# Altium PCB Copy of Flight_Controller_Board_Design.PcbDoc
Units mil, origin at the board's own origin, x right, y up, seen from the top; angles counter-clockwise.
Board outline 1960.03 x 2380.03 mil, 4 copper layers (Top Layer, LY-1, LY-2, Bottom Layer), stack 62.493 mil thick; 95 components, 79 nets, 353 pads, 284 vias.
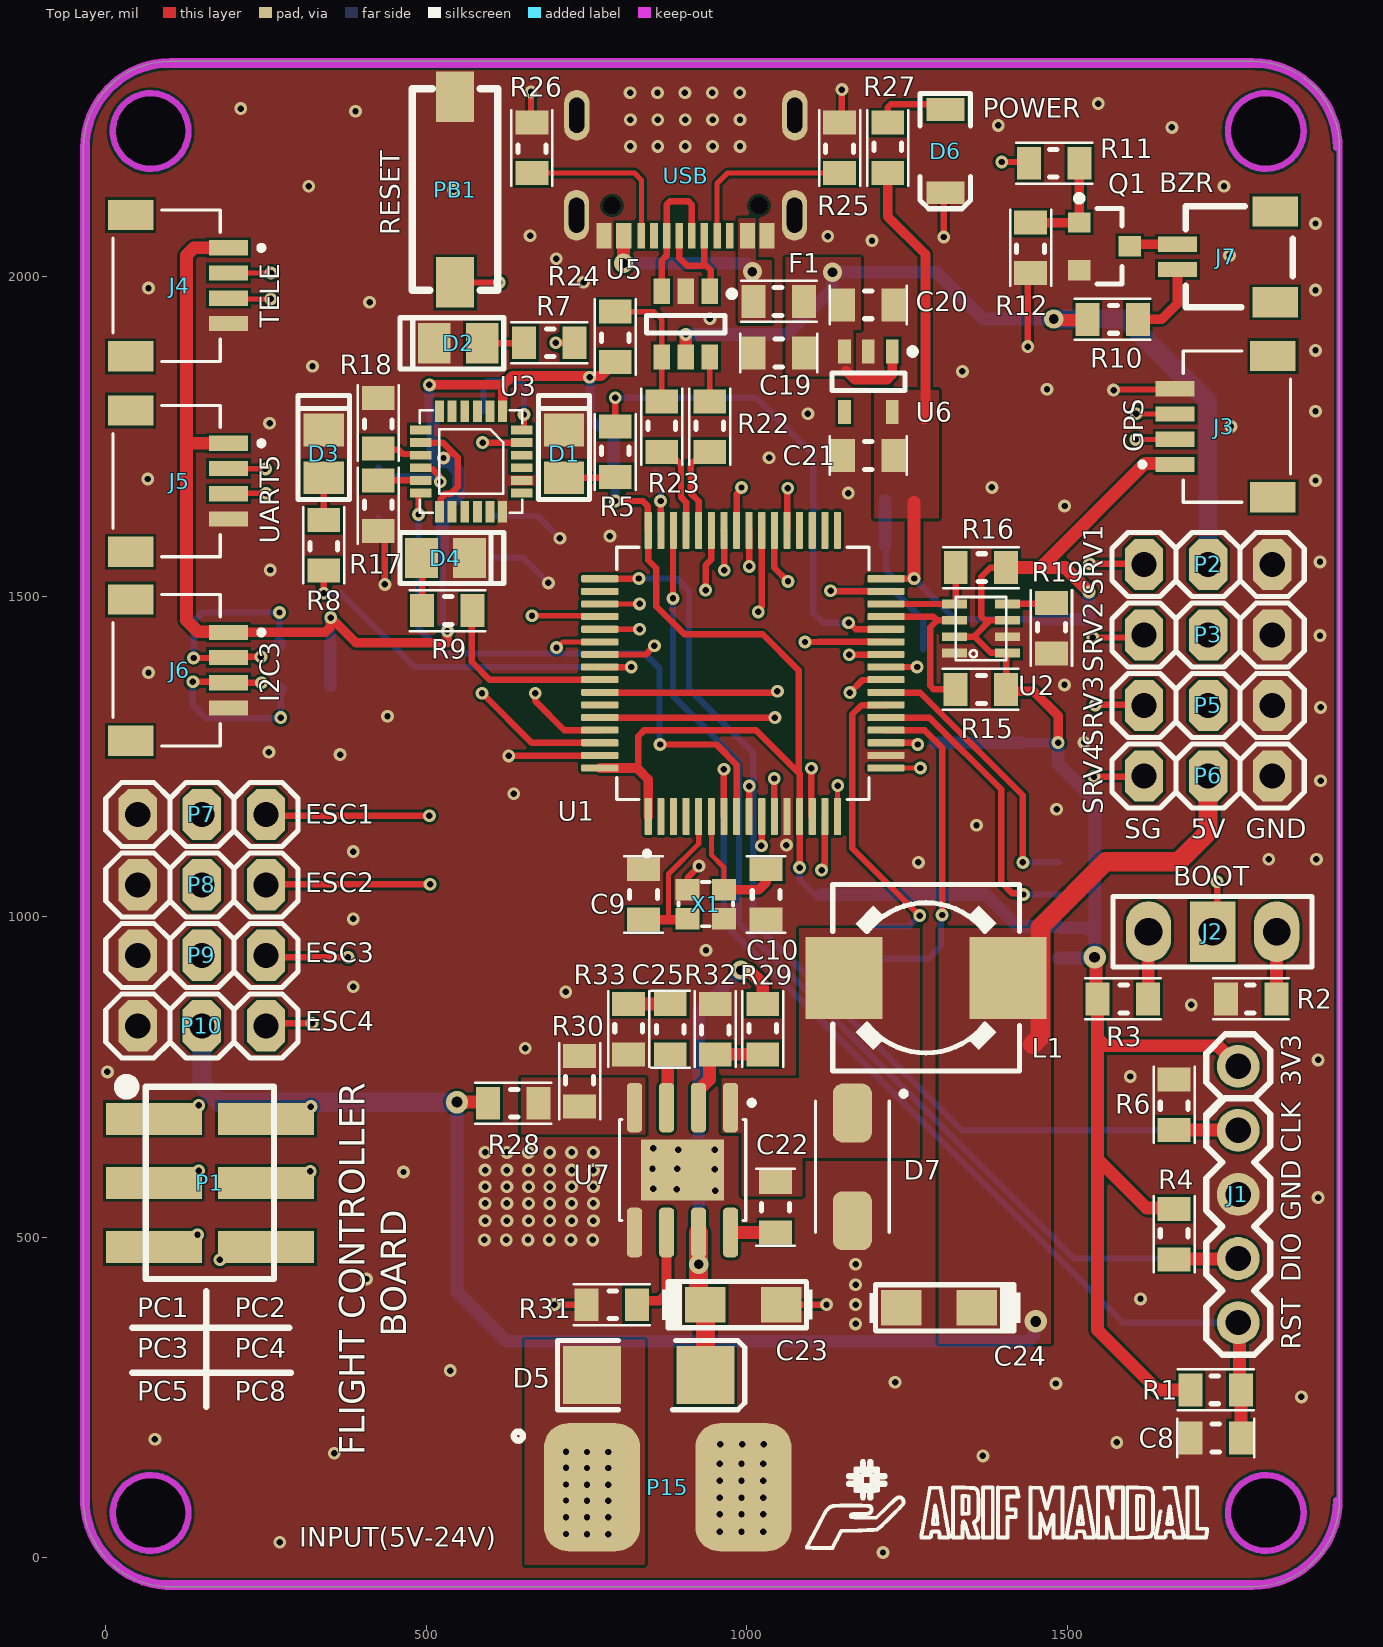
[diagram p0: Top Layer view]
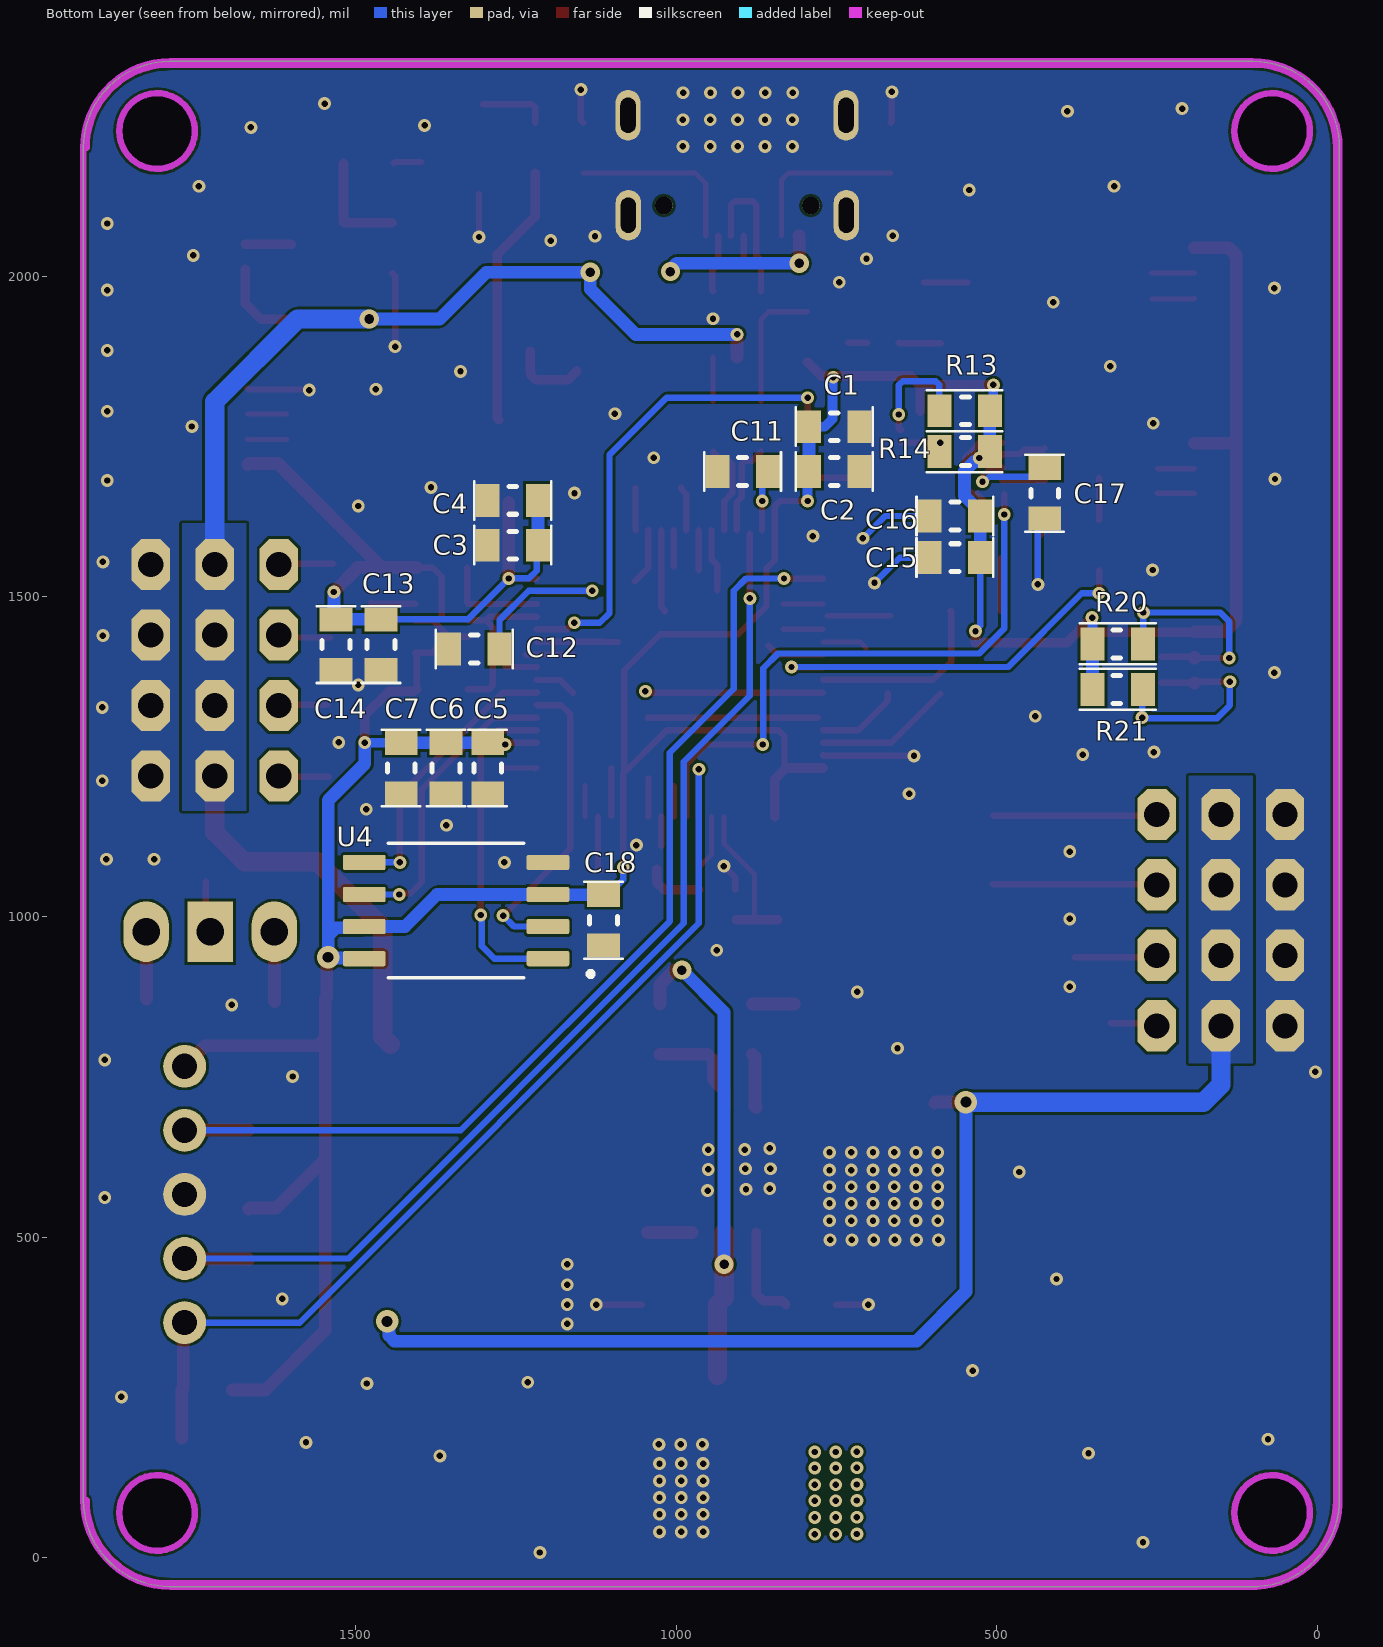
[diagram p1: Bottom Layer view, seen from below]
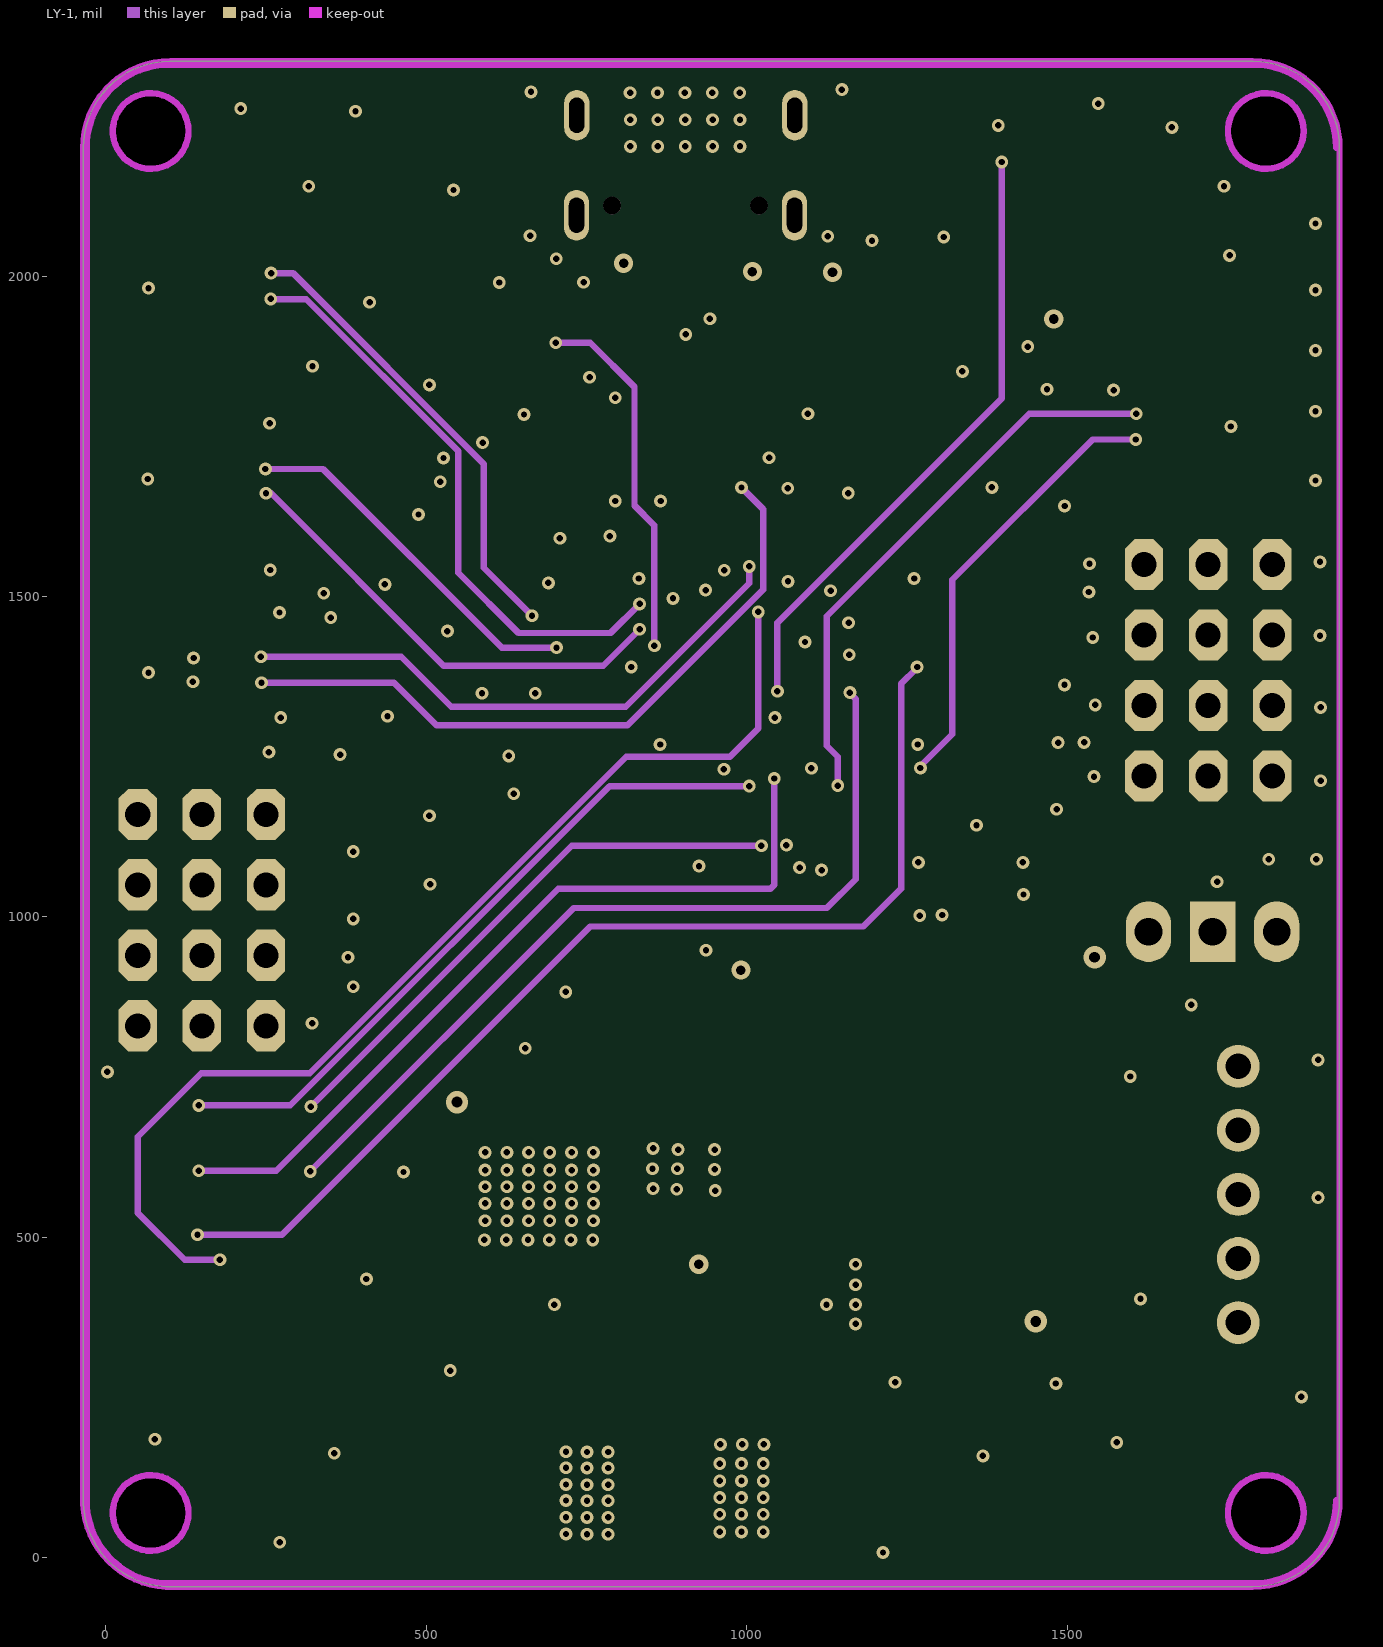
[diagram p2: LY-1]
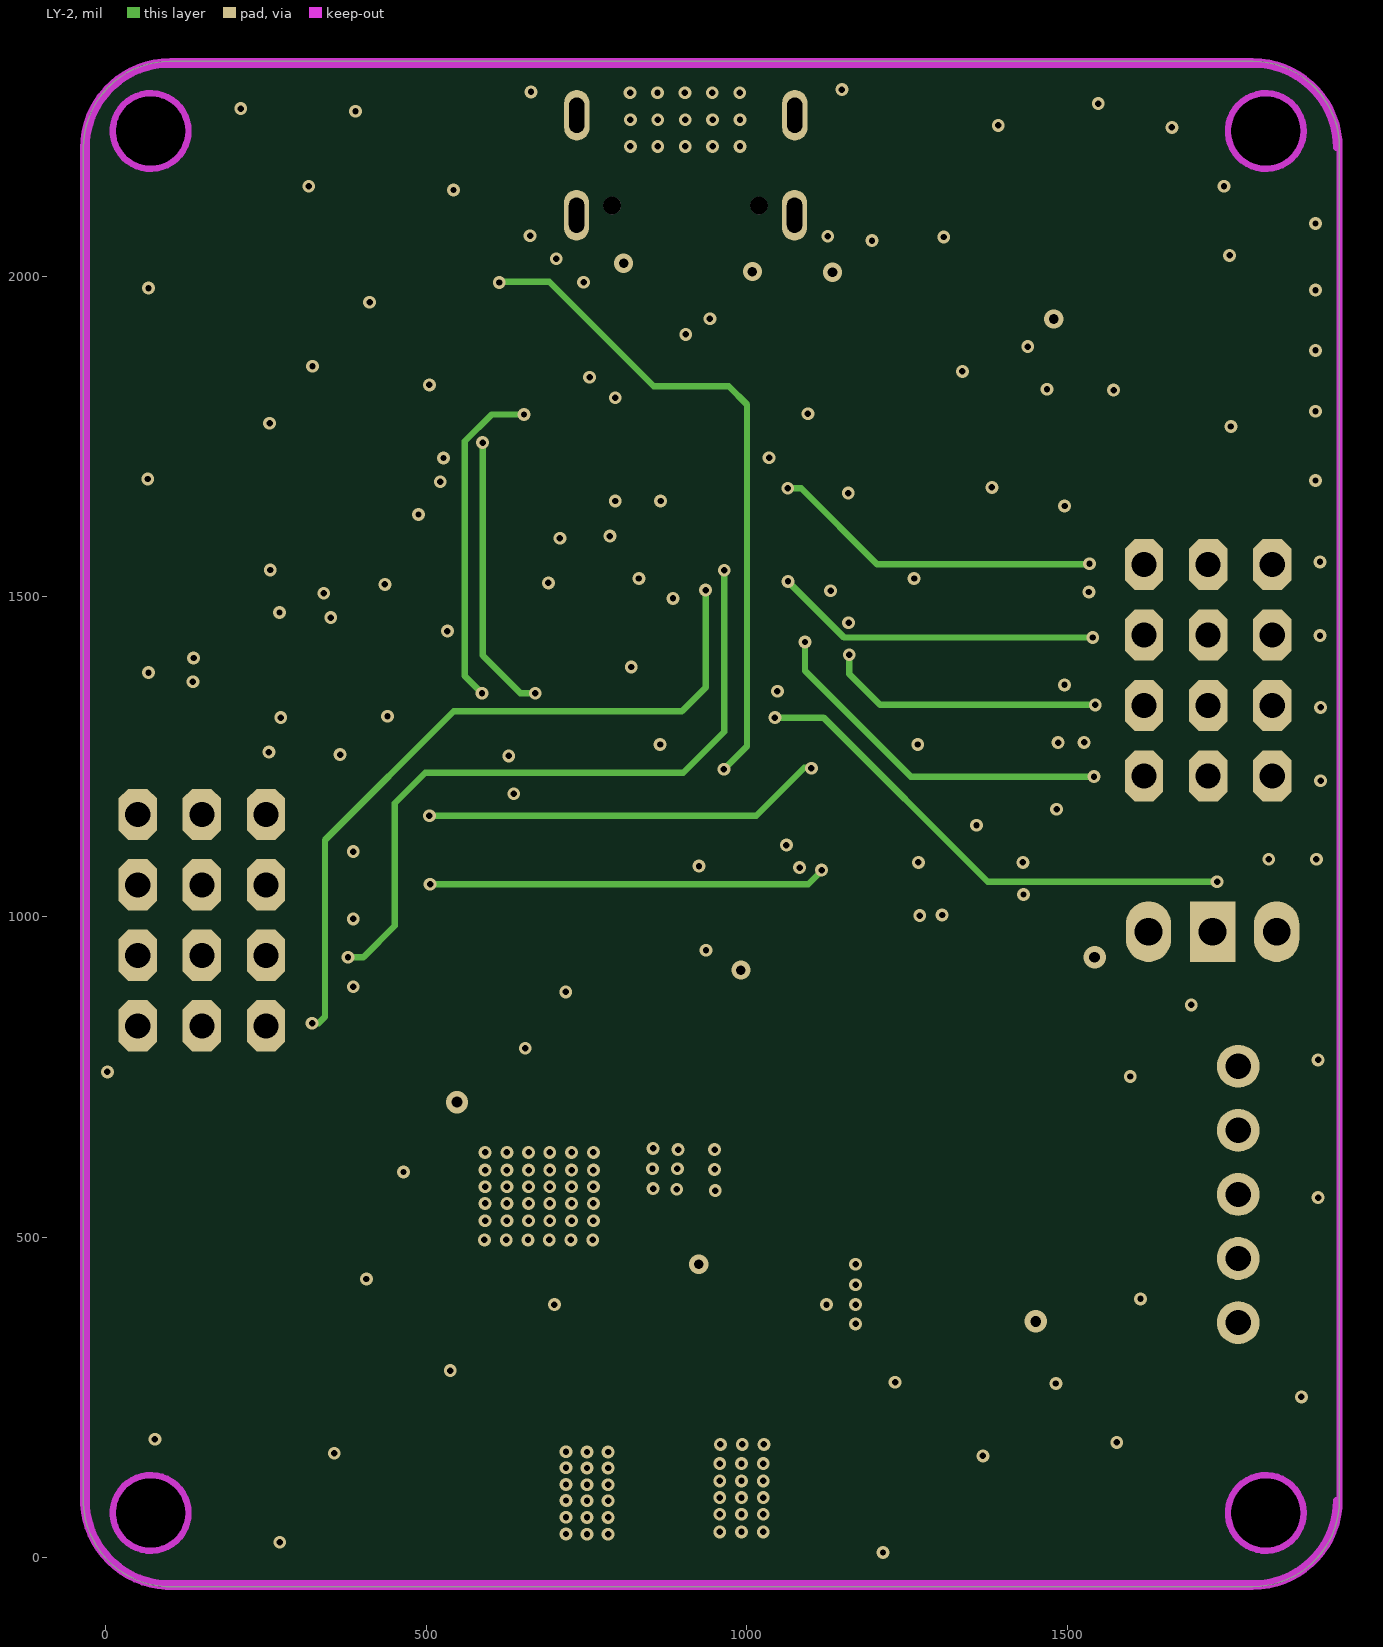
[diagram p3: LY-2]

## Layer stack, top to bottom
Top Solder: solder mask 0.4, Solder Resist, Dk 3.5
Top Layer: signal copper 1.4
Dielectric 2: prepreg 8.2835, PP-006, Dk 4.1
LY-1: signal copper 0.5984
Dielectric 1: dielectric 41.9291, FR-4, Dk 4.8
LY-2: signal copper 0.5984
Dielectric 3: prepreg 8.2835, PP-006, Dk 4.1
Bottom Layer: signal copper 1.4
Bottom Solder: solder mask 0.4, Solder Resist, Dk 3.5

## Board outline
-34.87,83.82 cw(c-30,85) -35.02,85 -35.02,2200 cw(c-30,2200) -35.01,2200.17 cw(c100,2200) 100,2335.02 cw(c100,2330) 100.03,2335.01 1790,2335.02 cw(c1790,2330) 1790.16,2335.01 cw(c1790,2200) 1925.02,2200 cw(c1920,2200) 1925.01,2199.92 1925.01,90.03 cw(c1920,90) 1925.02,90 cw(c1790,90) 1925.02,90 cw(c1790,90) 1790,-45.02 cw(c1790,-40) 1789.97,-45.01 95,-45.01 cw(c95,-40) 93.8,-44.87 cw(c100,90)
cut-out: 70,2167.2 cw(c70,2226.26) 10.94,2226.26 cw(c70,2226.26) 70,2285.31 cw(c70,2226.26) 129.06,2226.26 cw(c70,2226.26)
cut-out: 1750.94,2226.26 ccw(c1810,2226.26) 1810,2167.2 ccw(c1810,2226.26) 1869.06,2226.26 ccw(c1810,2226.26) 1810,2285.31 ccw(c1810,2226.26)
cut-out: 1750.94,70 ccw(c1810,70) 1810,10.94 ccw(c1810,70) 1869.06,70 ccw(c1810,70) 1810,129.06 ccw(c1810,70)
cut-out: 10.94,70 ccw(c70,70) 70,10.94 ccw(c70,70) 129.06,70 ccw(c70,70) 70,129.06 ccw(c70,70)

## Design rules (kind name [scope] priority, off if disabled: settings)
Clearance [All] p1: gap=4 ignorepadtopadclearanceinfootprint=FALSE
DiffPairsRouting DiffPairsRouting_1 [InDifferentialPairClass('All Differential Pairs')] p1: maxlimit=10 minlimit=5 mostfreqgap=5 toplayer_minwidth=10 toplayer_maxwidth=15 toplayer_prefwidth=10 midlayer1_minwidth=10 midlayer1_maxwidth=15 midlayer1_prefwidth=10 midlayer2_minwidth=10 midlayer2_maxwidth=15 midlayer2_prefwidth=10 bottomlayer_minwidth=10 bottomlayer_maxwidth=15 bottomlayer_prefwidth=10 maxuncoupledlength=500
DiffPairsRouting [All] p2: maxlimit=10 minlimit=10 mostfreqgap=10 toplayer_minwidth=15 toplayer_maxwidth=15 toplayer_prefwidth=15 midlayer1_minwidth=15 midlayer1_maxwidth=15 midlayer1_prefwidth=15 midlayer2_minwidth=15 midlayer2_maxwidth=15 midlayer2_prefwidth=15 bottomlayer_minwidth=15 bottomlayer_maxwidth=15 bottomlayer_prefwidth=15 maxuncoupledlength=500
MatchedLengths [InDifferentialPairClass('DiffPairUSB')] p1: tolerance=1000 checknetsindiffpair=FALSE checkdiffpairvsdiffpair=TRUE checkxsignals=TRUE checkothers=TRUE
MinimumSolderMaskSliver [All] p1: minsoldermaskwidth=0
PlaneConnect [All] p1: planeconnectstyle=Direct reliefexpansion=20 reliefentries=4 reliefconductorwidth=10 reliefairgap=10
PolygonConnect [All] p1: connectstyle=Direct reliefconductorwidth=10 reliefentries=4 polygonreliefangle="90 Angle" airgapwidth=10
RoutingVias [All] p1: holewidth=15 width=30 viastyle="Through Hole" minholewidth=10 minwidth=15 maxholewidth=50 maxwidth=100
SilkToSilkClearance [All] p1: silktosilkclearance=6
SilkToSolderMaskClearance [IsPad] p1: minsilkscreentomaskgap=-3 clearancetoexposedcopper=TRUE
SolderMaskExpansion [All] p1: expansion=4
Width [All] p1: maxlimit=50 minlimit=8 preferedwidth=10 midlayer1_minwidth=10 midlayer1_maxwidth=10 midlayer2_minwidth=10 midlayer2_maxwidth=10 minimp=50.000000 maximp=50.000000 favimp=50.000000
25 further rules are at their usual default settings.

## Classes and differential pairs
differential pair class DiffPairUSB: USB USBuC
component class Power: C19 C20 C21 C22 C23 C24 C25 D5 D6 D7 F1 L1 P15 R22 R23 R24 R25 R26 R27 R28 R29 R30 R31 R32 R33 U5 U6 U7 USB
component class Modules: C13 C14 C15 C16 C17 C18 J3 J4 J5 J6 R13 R14 R15 R16 R17 R18 R19 R20 R21 U2 U3 U4
component class MicroController: C1 C2 C3 C4 C5 C6 C7 C8 C9 C10 C11 C12 D1 D2 D3 D4 J1 J2 J7 P1 P2 P3 P5 P6 P7 P8 P9 P10 PB1 Q1 R1 R2 R3 R4 R5 R6 R7 R8 R9 R10 R11 R12 U1 X1
differential pair USBuC: +NetR23_1 -NetR22_1
differential pair USB: +USB_P -USB_N

## Components (designator, comment, footprint, x,y, rotation, side; value= is the part's Value field where it differs from the comment)
C1 "4.7uF" C805 753.27,1765 r0 bottom
C2 "100nF" C805 753.27,1695 r0 bottom
C3 "100nF" C805 1255,1580 r180 bottom
C4 "100nF" C805 1255,1650 r180 bottom
C5 "100nF" C805 1294.06,1232.36 r90 bottom
C6 "100nF" C805 1359.06,1232.36 r90 bottom
C7 "1uF" C805 1429.06,1232.36 r90 bottom
C8 "100nF" C805 1732,187 r0 top
C9 "18pF" C805 839,1035 r270 top
C10 "18pF" C805 1030.38,1035 r90 top
C11 "2.2uF" C805 896.42,1695 r180 bottom
C12 "2.2uF" C805 1315,1417.95 r180 bottom
C13 "100nF" C805 1460.63,1425 r90 bottom
C14 "100nF" C805 1530.63,1425 r90 bottom
C15 "100nF" C805 565,1560.63 r180 bottom
C16 "100nF" C805 565,1625.63 r180 bottom
C17 "100nF" C805 425,1661.26 r90 bottom
C18 "100nF" C805 1113.31,995 r90 bottom
C19 "100nF" C805 1050,1880 r0 top
C20 "1uF" C805 1190,1955 r180 top
C21 "1uF" C805 1190,1720 r0 top
C22 "100nF" C805 1045,547 r270 top
C23 "10uF" MY_SMC_A 994.64,395 r0 top
C24 "22uF" MY_SMC_A 1300,390 r180 top
C25 "150pF" C805 880.84,825 r270 top
D1 "LED RED" MY_LED_0805 718,1722.6 r270 top
D2 "LED GREEN" MY_LED_0805 550,1898 r0 top
D3 "LED BLUE" MY_LED_0805 343,1722.6 r270 top
D4 "LED YELLOW" MY_LED_0805 530,1557 r180 top
D5 "30V,3A" MY_1N4007_SMD 845,285 r0 top
D6 "LED" LED-1206 1310,2195 r270 top
D7 "B340A-13-F" DIOM5226X240N 1165,610 r270 top
F1 "500mA" PTC-0805 1050,1960 r0 top
J1 "CONN-5" PHDR5 1767,767 r270 top
J2 "jumper" jumper-3 1727,977 r90 top
J3 "PRT-14417" SPARKFUN_PRT-14417 1765,1765 r90 top
J4 "PRT-14417" SPARKFUN_PRT-14417 95,1985 r270 top
J5 "PRT-14417" SPARKFUN_PRT-14417 95,1680 r270 top
J6 "PRT-14417" SPARKFUN_PRT-14417 95,1385 r270 top
J7 "SM02B" SM02B-SRSS-TB(LF)(SN) 1750,2030 r90 top
L1 "15uH" MY_DR73 1280,905 r0 top
P1 "Pin Hdr 2x3" HDR_2x3-SMD 162.5,585 r270 top
P2 "Header 3" My_1X03 1720,1550 r0 top
P3 "Header 3" My_1X03 1720,1440 r0 top
P5 "Header 3" My_1X03 1720,1330 r0 top
P6 "Header 3" My_1X03 1720,1220 r0 top
P7 "Header 3" My_1X03 150,1160 r180 top
P8 "Header 3" My_1X03 150,1050 r180 top
P9 "Header 3" My_1X03 150,940 r180 top
P10 "Header 3" My_1X03 150,830 r180 top
P15 "POWER_CONN" POWER_CONN 758.78,110 r0 top
PB1 "Push Button" PB-SMD-3 545,2135 r90 top
Q1 "BC817" SOT23_3 1558.37,2046.4 r0 top
R1 "10K" R805 1732,262 r0 top
R2 "10K" R805 1787,872 r0 top
R3 "10K" R805 1587,872 r180 top
R4 "10K" R805 1667,505 r270 top
R5 "1K" R805 795,1725.63 r270 top
R6 "10K" R805 1667,707 r90 top
R7 "1K" R805 692,1896 r180 top
R8 "1K" R805 340,1580 r90 top
R9 "1K" R805 533,1478 r180 top
R10 "33" R805 1571,1932.4 r180 top
R11 "470" R805 1480,2176 r0 top
R12 "22K" R805 1443,2044.06 r90 top
R13 "10K" R805 550,1789.84 r0 bottom
R14 "10K" R805 550,1726.1 r0 bottom
R15 "10K" R805 1365,1355 r180 top
R16 "10K" R805 1365.63,1545 r180 top
R17 "10K" R805 425,1641.73 r270 top
R18 "10K" R805 425,1770.63 r90 top
R19 "10K" R805 1475.63,1450.63 r270 top
R20 "10K" R805 311,1426 r180 bottom
R21 "10K" R805 311,1355 r180 bottom
R22 "22" R805 942.4,1765 r270 top
R23 "22" R805 867.6,1765 r270 top
R24 "1K5" R805 795,1905 r90 top
R25 "5K1" R805 1145,2200 r90 top
R26 "5K1" R805 665,2200 r90 top
R27 "1K" R805 1220,2200 r270 top
R28 "210K" R805 635.84,709.37 r180 top
R29 "100K" R805 1025,825 r270 top
R30 "40K2" R805 739.26,743.74 r270 top
R31 "100K" R805 789.37,395 r180 top
R32 "24K9" R805 950.84,825 r90 top
R33 "100K" R805 815.84,825 r270 top
U1 "STM32F405RGT6" QFP-64N 994.06,1380 r90 top locked
U2 "BMP280" BMP280 1365.63,1450 r180 top
U3 "MPU-9250" QFN-24 570,1710.63 r270 top
U4 "25LC1024" SOIC-8N 1343.31,1010 r0 bottom
U5 "USBLC6-2" SOT-23-6 905,1925 r270 top
U6 "NCP718" TSOT-23-5 1190,1835 r270 top
U7 "MP1584EN" SOIC127P-9N 900,605 r270 top
USB "USB_C" USB-C-5 904.58,2049.48 r180 top
X1 "8MHz" BT-XTAL_2016 936.22,1020 r0 top

## Footprints (in the part's own frame and the unit in brackets; to place one, negate y for a bottom-side part, rotate by r counter-clockwise, add the part's x,y. Pads: shape width x height; smd on the part's side, far side on the other; paste and mask are expansions set on the pad)
BMP280 [mm]
  rect 1x0.35 smd: 1(1.05,0.975) 2(1.05,0.325) 3(1.05,-0.325) 4(1.05,-0.975) 5(-1.05,-0.975) 6(-1.05,-0.325) 7(-1.05,0.325) 8(-1.05,0.975)
  silkscreen extent -1,-1.25 1,1.25, body extent -1,-1.25 1,1.25, height 1
BT-XTAL_2016 [mm]
  rect 0.95x0.85 smd: 1(-0.725,-0.575) 2(0.725,-0.575) 3(0.725,0.575) 4(-0.725,0.575)
  silkscreen extent -1.08,-0.88 1.08,0.88, body extent -1.05,-0.85 1.05,0.85, height 0.56
C805 [mm]
  rect 0.95x1.3 smd: 1(-1,0) 2(1,0)
  silkscreen extent -1.52,-0.76 1.52,0.76, body extent -1,-0.62 1,0.63, height 0.78
DIOM5226X240N [mm]
  rrect50% 2.33x1.55 smd: A(2.135,0) C(-2.135,0)
  silkscreen extent -3,-1.46 2.6,2.13, body extent -2.6,-1.3 2.6,1.3, height 2.4
HDR_2x3-SMD [mil]
  rect 50x150 smd: 1(-100,-87.5) 2(-100,87.5) 3(0,-87.5) 4(0,87.5) 5(100,-87.5) 6(100,87.5)
  silkscreen extent -160,-140 150,100, body extent -150,-148 150,148, height 382
jumper-3 [mm]
  oval 2.4x1.8 hole 1.1: 1(0,-2.54) 3(0,2.54)
  rect 2.4x1.8 hole 1.1: 2(0,0)
  silkscreen extent -1.4,-3.94 1.4,3.94, body extent -1.27,-3.78 1.27,3.84, height 10.16
LED-1206 [mm]
  rect 0.9x1.5 smd: 1(-1.651,0) 2(1.651,0)
  silkscreen extent -2.29,-1 2.29,1, body extent -1.65,-0.76 1.65,0.69, height 1.36
MY_1N4007_SMD [mm]
  rect 2.3x2.3 smd: A(-2.199,0) K(2.301,0)
  silkscreen extent -3.56,-1.37 3.86,1.37, body extent -2.59,-1.4 2.9,1.4, height 2.3
My_1X03 [mil]
  oct 60x80 hole 39.37: 1(-100,0) 2(0,0) 3(100,0)
  silkscreen extent -150,-50 150,50, body extent -149,-49 147,49, height 323
MY_DR73 [mil]
  rect 120x127.95 smd: 1(-128,0) 2(128,0)
  silkscreen extent -146,-146 146,146, body extent -148,-144 144,143, height 180
MY_LED_0805 [mm]
  rect 1.3x1.6 smd: A(0.95,-0.076) K(-0.95,-0.076)
  silkscreen extent -2.31,-1.09 1.8,0.94, body extent -1.06,-0.48 1.01,0.42, height 0.86
MY_SMC_A [mm]
  rect 1.6x1.4 smd: +(-1.5,0) -(1.5,0)
  silkscreen extent -3.23,-0.91 2.74,0.91, body extent -1.6,-0.8 1.6,0.8, height 1.63
PB-SMD-3 [mm]
  rect 2x1.5 smd: 1(-3.683,0) 2(3.683,0)
  silkscreen extent -4,-1.7 4,1.7, body extent -4,-1.75 4,1.75, height 4.3
PHDR5 [mm]
  round 1.7 hole 1: 1(0,0) 2(2.54,0) 3(5.08,0) 4(7.62,0) 5(10.16,0)
  silkscreen extent -1.27,-1.27 11.43,1.27